# Altium PCB PCB2.PcbDoc
Units mil, origin at the board's own origin, x right, y up, seen from the top; angles counter-clockwise.
Board outline 4900.65 x 3145 mil, 2 copper layers (Top Layer, Bottom Layer); 31 components, 43 nets, 188 pads, 63 vias.
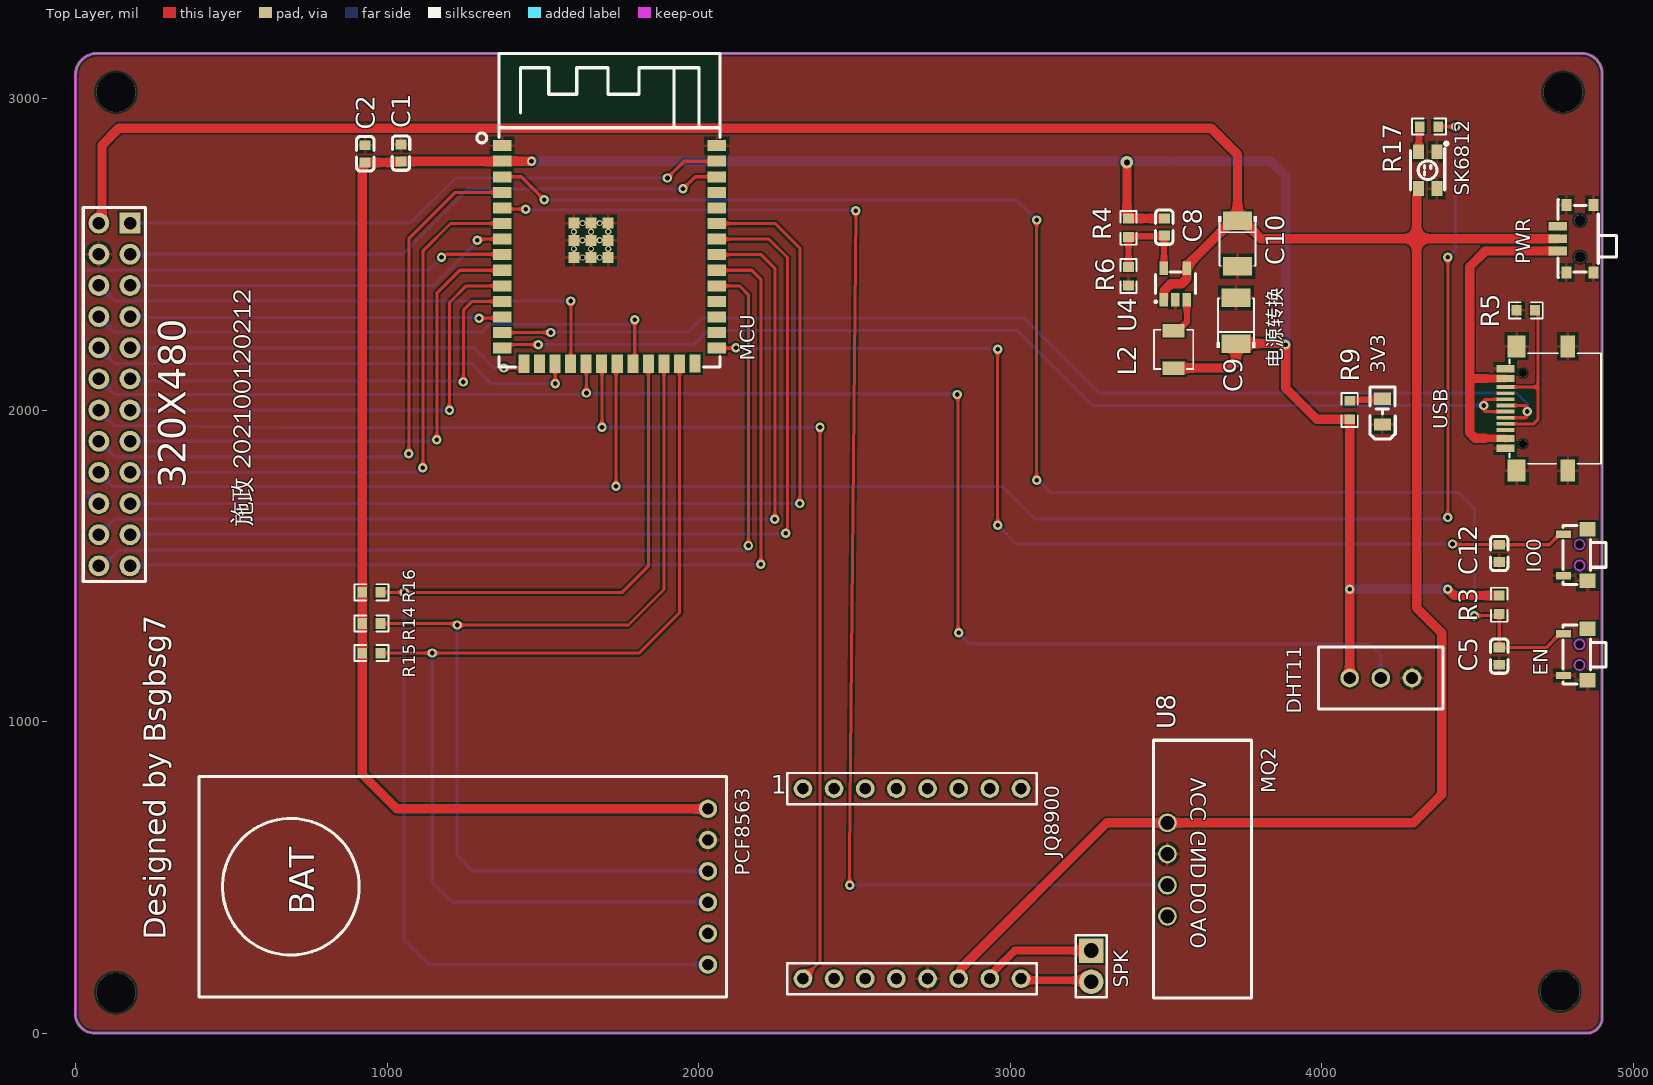
[diagram p0: Top Layer view]
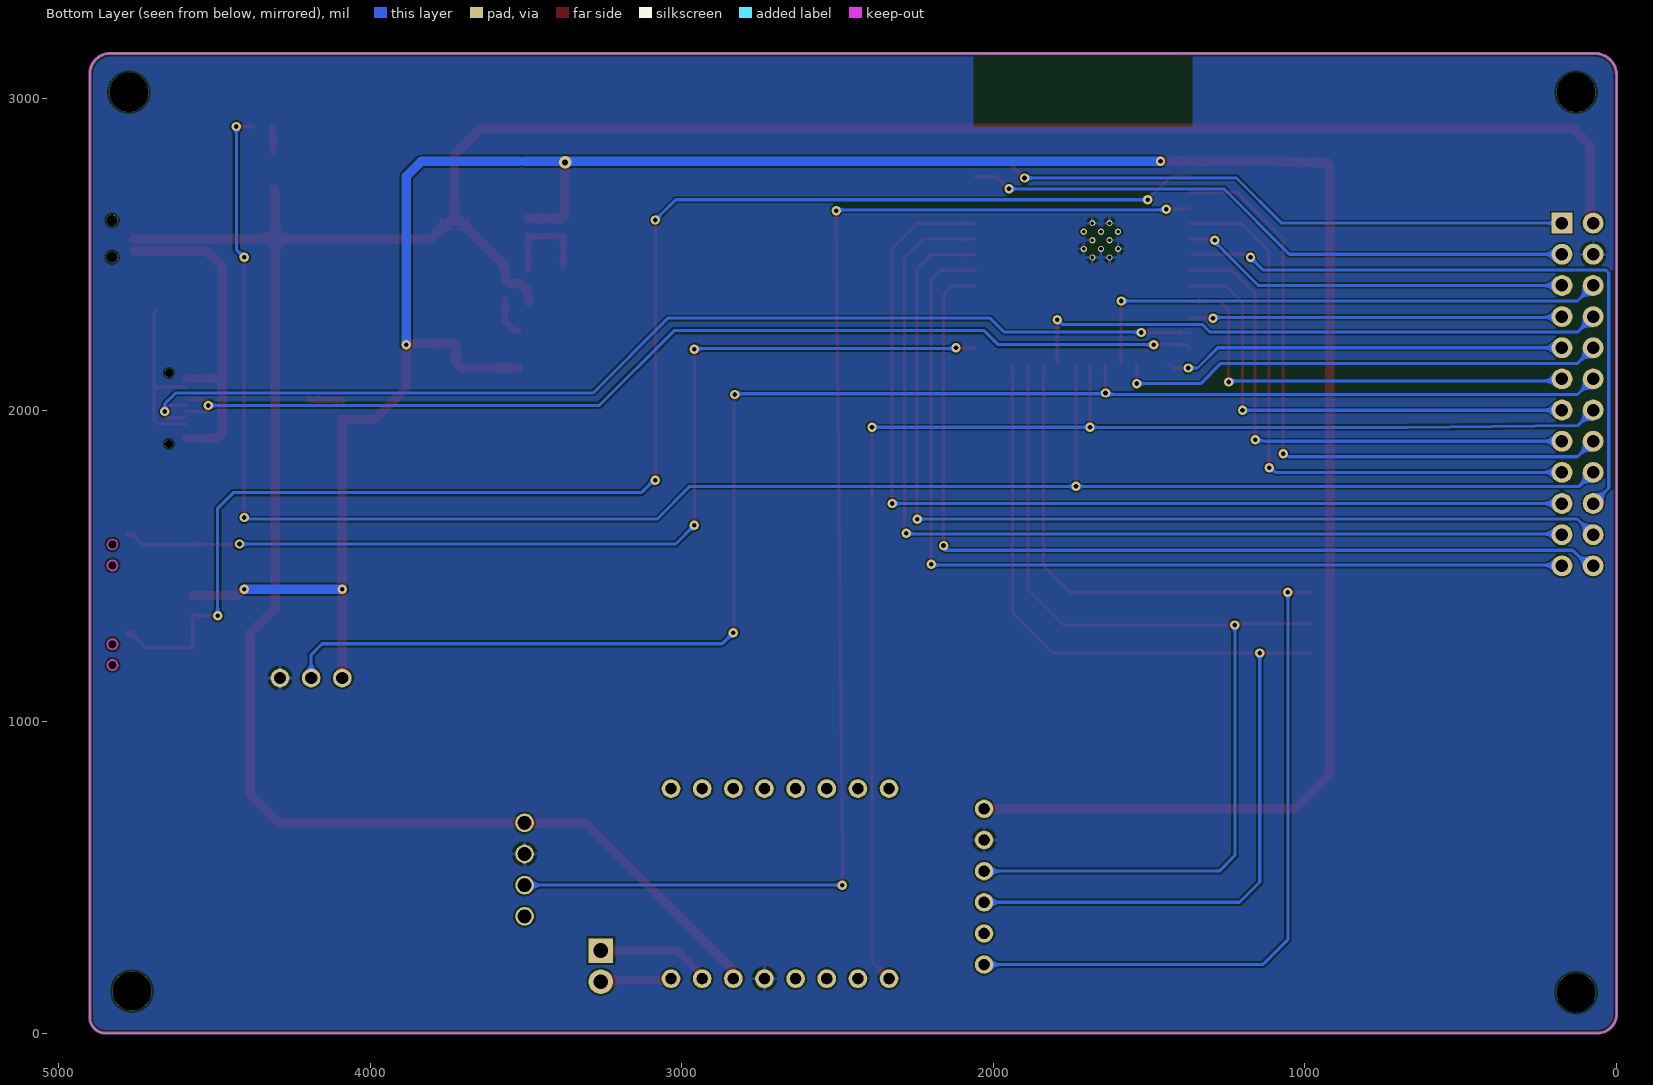
[diagram p1: Bottom Layer view, seen from below]
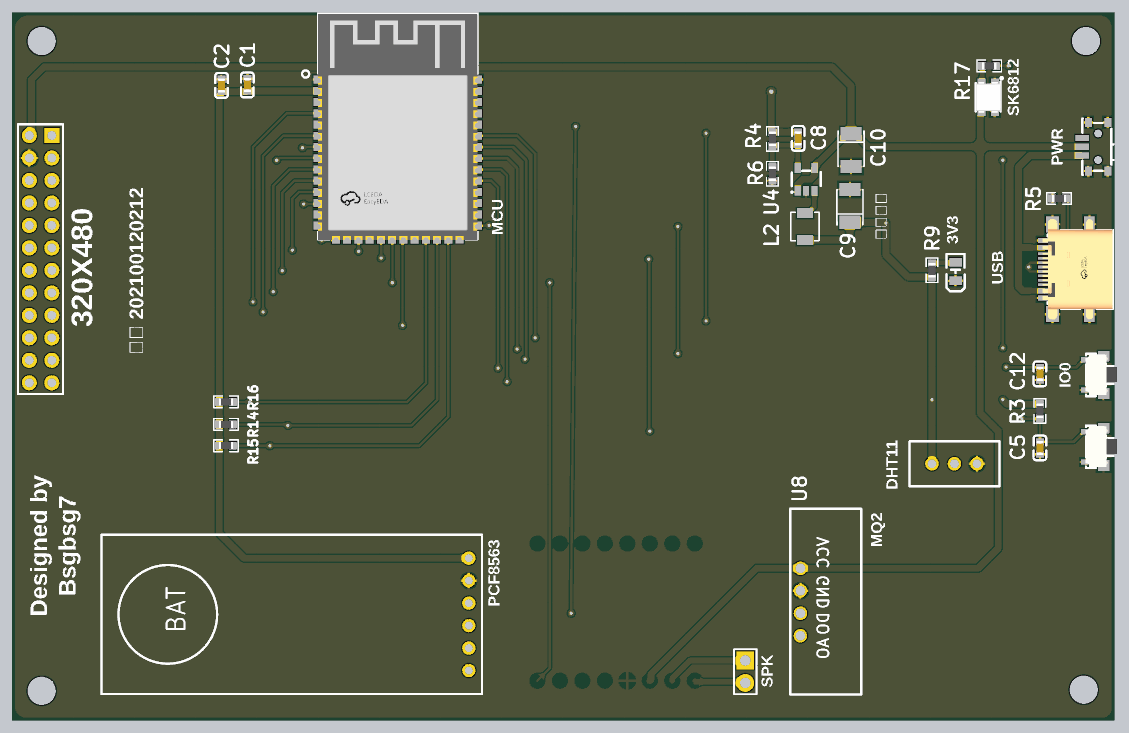
[diagram p2: 3D render of the assembled board from above, using the file's embedded part models]

## Layer stack, top to bottom
Top Solder: solder mask 0.4, Solder Resist, Dk 3.5
Top Layer: signal copper 1.4
Dielectric 1: dielectric 12.6, FR-4, Dk 4.8
Bottom Layer: signal copper 1.4
Bottom Solder: solder mask 0.4, Solder Resist, Dk 3.5

## Board outline
55,0 cw(c62.5,62.5) 0,70 0,3070 cw(c70,3075) 65,3145 4835,3145 cw(c4835,3080) 4900,3080 4900,55 cw(c4850,50) 4855,0

## Design rules (kind name [scope] priority, off if disabled: settings)
Clearance Clearance_1 [All] p1: gap=6 ignorepadtopadclearanceinfootprint=FALSE except(0: Arc-Hole Track-Hole SMDPad-Hole THPad-Hole Via-Hole Fill-Hole Poly-Hole Region-Hole Text-Hole)
Clearance [All] p2: gap=10 ignorepadtopadclearanceinfootprint=FALSE except(0: Arc-Hole Track-Hole SMDPad-Hole THPad-Hole Via-Hole Fill-Hole Poly-Hole Region-Hole Text-Hole)
PolygonConnect [All] p1: connectstyle=Relief reliefconductorwidth=10 reliefentries=4 polygonreliefangle="90 Angle" airgapwidth=10
RoutingVias [All] p1: holewidth=15 width=30 viastyle="Through Hole" minholewidth=10 minwidth=20 maxholewidth=28 maxwidth=50
SolderMaskExpansion [All] p1: expansion=4 istentingtop=FALSE
Width Width_3 [InNet('VBUS')] p1: maxlimit=50 minlimit=10 preferedwidth=30
Width Width_2 [InNet('5V')] p2: maxlimit=50 minlimit=10 preferedwidth=30
Width Width_1 [InNet('3V3')] p3: maxlimit=50 minlimit=10 preferedwidth=30
Width [All] p4: maxlimit=30 minlimit=10 preferedwidth=10
30 further rules are at their usual default settings.

## Components (designator, comment, footprint, x,y, rotation, side; value= is the part's Value field where it differs from the comment)
1 "JQ8900-16P" JQ8900-16P 2410,-275 r90 top locked
3V3 "SML-H12P8TT86" LED0805-R-RD_GREEN 4195,1995 r90 top (schematic designator LED1)
320X480 "排针2*12" "PCBComponent_1 - duplicate" 175,2600 r180 top locked (schematic designator U2)
C1 "22u" C0603 1045,2825 r90 top
C2 "0.1u" C0603 930,2822.44 r270 top
C5 "1u" C0603 4570,1210 r270 top
C8 "22pF" C0603 3495,2587.45 r90 top
C9 "22uF" CASE-B_3528 3725,2286.75 r90 top
C10 "22uF" CASE-B_3528 3730,2535 r270 top
C12 "0.1u" C0603 4570,1540 r90 top
DHT11 "3P排针" DHT 4190,1140 r90 top (schematic designator J1)
EN "TS-1010-B-A" KEY-SMD_TX-1010-X-X 4815,1215 r270 top (schematic designator SW1)
IO0 "TS-1010-B-A" KEY-SMD_TX-1010-X-X 4815,1535 r270 top (schematic designator SW2)
L2 "1uH" IND-SMD_L3.2-W3.2-1 3525,2195 r90 top
MCU "ESP32-S3-WROOM-1(N16R8)" WIRELM-SMD_ESP32-S3-WROOM-1 1713.95,2498.62 r0 top locked (schematic designator U1)
PCF8563 "RTC-PCF8563模块" PCF8563模块 396.14,115.67 r0 top locked (schematic designator U7)
PWR "HX MINI MSK12CO2" SW-SMD_MSK12CO2 4815,2550 r90 top (schematic designator U5)
R3 "10k" R0603 4570,1375 r270 top
R4 "100kΩ" R0603 3380,2585 r90 top
R5 "5.1K" R0603 4655.35,2320 r180 top
R6 "22kΩ" R0603 3380,2430 r90 top
R9 "10K" R0603 4090,2000.34 r270 top
R14 "4.7K" R0603 950,1315 r0 top
R15 "4.7K" R0603 950,1220 r0 top
R16 "4.7K" R0603 950,1415 r0 top
R17 "500" R0603 4344.65,2910 r180 top
SK6812 "SK6812SMINI-ER" SK6812 4340,2770 r90 top (schematic designator LED2)
SPK "PZ254V-11-02P" HDR-TH_2P-P2.54-V-M 3260,215 r270 top (schematic designator H1)
U4 "SY8089A1AAC" TSOT-23-5_L2.9-W1.6-P0.95-LS2.8-BR 3530,2405 r270 top
U8 "MQ2" MQ2 3505,525 r270 top locked
USB "YTC-TC16-273A1" TYPE-C-SMD_YIYUAN_YTC-TC16-273A1 4690,2005 r90 top (schematic designator U3)

## Footprints (in the part's own frame and the unit in brackets; to place one, negate y for a bottom-side part, rotate by r counter-clockwise, add the part's x,y. Pads: shape width x height; smd on the part's side, far side on the other; paste and mask are expansions set on the pad)
C0603 [mm]
  rect 0.8x0.9 smd: 1(-0.7,0) 2(0.7,0)
  silkscreen extent -1.41,-0.71 1.39,0.72, body extent -0.8,-0.4 0.8,0.4, height 0.8
CASE-B_3528 [mil]
  rect 59.3x93.54 smd mask+2: 1(-73.25,0) 2(73.25,0)
  silkscreen extent -87,-61 72,61
DHT [mil]
  round 60 hole 39.37: 1(0,100) 2(0,0) 3(0,-100)
  silkscreen extent -100,-200 100,200
HDR-TH_2P-P2.54-V-M [mm]
  rect 2x2 hole 1.2: 1(-1.27,0)
  round 2 hole 1.2: 2(1.27,0)
  silkscreen extent -2.54,-1.27 2.54,1.27
IND-SMD_L3.2-W3.2-1 [mm]
  rect 1.1x1.8 smd mask+0.051: 1(-1.524,0) 2(1.524,0)
  silkscreen extent -1.6,-1.6 1.6,1.6
JQ8900-16P [mil]
  round 60 hole 35.43 slot 35.63 at 0 deg: 1(450,75) 2(450,-25) 3(450,-125) 4(450,-225) 5(450,-325) 6(450,-425) 7(450,-525) 8(450,-625) 9(1060,-625) 10(1060,-525) 11(1060,-425) 12(1060,-225) 13(1060,-325) 14(1060,-125) 15(1060,-25) 16(1060,75)
  silkscreen extent 400,-675 1110,125
KEY-SMD_TX-1010-X-X [mm]
  rect 0.6x1.2 smd mask+0.051: 1(-1.7,-0.975) 2(1.7,-0.975)
  rect 1.2x1.3 smd mask+0.051: 3(-2.1,0.975) 4(2.1,0.975)
  Keep-Out Layer board cut-out: 1.25,0.325 1.25,0.405 1.189,0.552 1.077,0.664 0.93,0.725 0.771,0.725 0.624,0.664 0.511,0.552 0.45,0.405 0.45,0.325 0.45,0.245 0.511,0.098 0.624,-0.014 0.771,-0.075 0.93,-0.075 1.077,-0.014 1.189,0.098 1.25,0.245 1.25,0.325 1.25,0.325
  Keep-Out Layer board cut-out: -0.45,0.325 -0.45,0.405 -0.511,0.552 -0.623,0.664 -0.77,0.725 -0.929,0.725 -1.076,0.664 -1.189,0.552 -1.25,0.405 -1.25,0.325 -1.25,0.245 -1.189,0.098 -1.076,-0.014 -0.929,-0.075 -0.77,-0.075 -0.623,-0.014 -0.511,0.098 -0.45,0.245 -0.45,0.325 -0.45,0.325
  silkscreen extent -2.4,-1.02 2.4,2.48, body extent -2.33,-1.07 2.27,2.48, height 1.8
LED0805-R-RD_GREEN [mm]
  rect 1x1.4 smd: 1(1.05,0) 2(-1.05,0)
  silkscreen extent -2.22,-1.04 1.99,1.01
MQ2 [mil]
  round 60 hole 43.31 slot 43.51 at 0 deg: 1(-150,0) 2(-50,0) 3(50,0) 4(150,0)
  silkscreen extent -415,-45 412,270
"PCBComponent_1 - duplicate" [mm]
  rect 1.7x1.7 hole 1.02: 1(0,0)
  round 1.7 hole 1.02: 2(0,2.54) 3(0,5.08) 4(0,7.62) 5(0,10.16) 6(0,12.7) 7(0,15.24) 8(0,17.78) 9(0,20.32) 10(0,22.86) 11(0,25.4) 12(0,27.94) 13(2.54,27.94) 14(2.54,25.4) 15(2.54,22.86) 16(2.54,20.32) 17(2.54,17.78) 18(2.54,15.24) 19(2.54,12.7) 20(2.54,10.16) 21(2.54,7.62) 22(2.54,5.08) 23(2.54,2.54) 24(2.54,0)
  silkscreen extent -1.27,-1.27 3.81,29.21
PCF8563模块 [mm]
  round 1.5 hole 0.9 slot 0.9 at 90 deg: 1(41.5,2.65) 2(41.5,5.19) 3(41.5,7.73) 4(41.5,10.27) 5(41.5,12.81) 6(41.5,15.35)
  silkscreen extent 0,0 43,18
R0603 [mil]
  rect 31.75x34.02 smd: 1(-29.66,0) 2(29.65,0)
  silkscreen extent -55,-26 55,26, body extent -32,-16 32,16, height 18
SK6812 [mm]
  rect 1.2x0.9 smd mask+0.051: 1(1.5,-0.75) 2(1.5,0.75) 3(-1.5,0.75) 4(-1.5,-0.75)
  silkscreen extent -1.6,-1.65 2.29,1.4, body extent -1.75,-1.4 1.75,1.4, height 1.88
SW-SMD_MSK12CO2 [mm]
  rect 0.7x1.5 smd: 1(-1,1.45) 2(0,1.45) 3(1,1.45)
  rect 1x0.8 smd: 4(-2.75,-1.45) 4(-2.75,0.75) 5(2.75,-1.45) 5(2.75,0.75)
  round 0.9 hole 0.9 unplated: ""(-1.5,-0.35) ""(1.5,-0.35)
  silkscreen extent -3.17,-3.35 3.17,1.43
TSOT-23-5_L2.9-W1.6-P0.95-LS2.8-BR [mm]
  rect 1.1x0.7 smd mask+0.051: 1(1.294,-0.951) 2(1.294,-0.001) 3(1.294,0.951) 4(-1.294,0.951) 5(-1.294,-0.949)
  silkscreen extent -0.97,-1.65 1.52,1.65
TYPE-C-SMD_YIYUAN_YTC-TC16-273A1 [mm]
  rect 1.8x1.45 smd: 12(-5.07,1.632) 13(5.07,1.632)
  rect 1.8x1.2 smd: 14(-5.07,-2.548) 15(5.07,-2.548)
  rect 0.6x1.45 smd: A1B12(-3.25,2.548) A4B9(-2.45,2.548) A9B4(2.45,2.548) A12B1(3.25,2.548)
  rect 0.3x1.45 smd: A5(-1.25,2.548) A6(-0.25,2.548) A7(0.25,2.548) A8(1.25,2.548) B5(1.75,2.548) B6(0.75,2.548) B7(-0.75,2.548) B8(-1.75,2.548)
  round 0.65 hole 0.65 unplated: ""(-2.89,1.102) ""(2.89,1.102)
  silkscreen extent -4.5,-5.25 4.5,2.2, body extent -5.67,-5.16 5.68,2.74, height 3.19
WIRELM-SMD_ESP32-S3-WROOM-1 [mm]
  rect 1.5x0.9 smd: 1(-8.75,8.895) 2(-8.75,7.625) 3(-8.75,6.355) 4(-8.75,5.085) 5(-8.75,3.815) 6(-8.75,2.545) 7(-8.75,1.275) 8(-8.75,0.005) 9(-8.75,-1.265) 10(-8.75,-2.535) 11(-8.75,-3.805) 12(-8.75,-5.075) 13(-8.75,-6.345) 14(-8.75,-7.615) 27(8.75,-7.615) 28(8.75,-6.345) 29(8.75,-5.075) 30(8.75,-3.805) 31(8.75,-2.535) 32(8.75,-1.265) 33(8.75,0.005) 34(8.75,1.275) 35(8.75,2.545) 36(8.75,3.815) 37(8.75,5.085) 38(8.75,6.355) 39(8.75,7.625) 40(8.75,8.895)
  rect 0.9x1.5 smd: 15(-6.985,-8.895) 16(-5.715,-8.895) 17(-4.445,-8.895) 18(-3.175,-8.895) 19(-1.905,-8.895) 20(-0.635,-8.895) 21(0.635,-8.895) 22(1.905,-8.895) 23(3.175,-8.895) 24(4.445,-8.895) 25(5.715,-8.895) 26(6.985,-8.865)
  rect 0.9x0.9 smd: 41(-2.9,-0.225) 41(-2.9,1.175) 41(-2.9,2.575) 41(-1.501,-0.225) 41(-1.501,1.175) 41(-1.501,2.575) 41(-0.1,-0.225) 41(-0.1,1.175) 41(-0.1,2.575)
  silkscreen extent -10.81,-9.14 9.02,16.39, body extent -9,-9.23 9,16.27, height 3.11

## Part data
3V3: BOM_JLCPCB Part Class="Extended Part", BOM_Manufacturer=ROHM(罗姆), BOM_Manufacturer Part=SML-H12P8TT86, BOM_Supplier=LCSC, BOM_Supplier Part=C510035, Contributor=lcsc, spicePre=L, spiceSymbolName=SML-H12P8TT86
C8: BOM_JLCPCB Part Class="Basic Part", BOM_Manufacturer=SAMSUNG(三星), BOM_Manufacturer Part=CL10C220JB8NNNC, BOM_Supplier=LCSC, BOM_Supplier Part=C1653, nameAlias=Capacitance, spicePre=C, spiceSymbolName=CL10C220JB8NNNC
C9 C10: library part TAJB226K016RNJ, "容值:22uF;精度:±10%;额定电压:16V;等效串联电阻:2.3Ω@100kHz;工作温度:-55℃~+125℃;", Equivalent Series Resistance(ESR)=2.3Ω@100kHz, JLCPCB Part Class="Extended Part", LCSC Part Name="22uF ±10% 16V", Manufacturer="Kyocera AVX", Operating Temperature=-55℃~+125℃, Rated Voltage=16V, Tolerance=±10%, Add into BOM=yes, Convert to PCB=yes, Datasheet=https://atta.szlcsc.com/upload/public/pdf/source/20160107/1457707749964.pdf, Device=TAJB226K016RNJ, Manufacturer Part=TAJB226K016RNJ, Name=22uF, Supplier=LCSC, Supplier Footprint=CASE-B_3528, Supplier Part=C8020, Symbol=TAJB226K016RNJ
EN IO0: "触点电流:50mA;额定电压(DC):12V;绝缘电阻:-;电路结构:单刀单掷;安装方式:卧贴;按钮形状:矩形按钮;按钮/盖帽颜色:黑色;带灯:无;作用力:160gf;机械寿命:100000;工作温度:-30℃~+85℃;开关长度:4.7mm;开关宽度:1.9mm;开关高度:3.5mm;带支架:否;", Actuator/Cap Color=黑色, Contact Current=50mA, Insulation Resistance=-, JLCPCB Part Class="Extended Part", LCSC Part Name=1.9*4.7*3.5小侧按160gf带固定柱, Manufacturer="XKB Connectivity(中国星坤)", Operating Force=160gf, Operating Temperature=-30℃~+85℃, Voltage Rating (DC)=12V, Actuator Style=矩形按钮, Add into BOM=yes, Circuit=单刀单掷, Convert to PCB=yes, Datasheet=https://atta.szlcsc.com/upload/public/pdf/source/20200227/C318941_A5A5DBAB1B24E3EFC34CEC5510EE9B45.pdf, Device=TS-1010-B-A, Manufacturer Part=TS-1010-B-A, Mechanical Life=100000, Mounting Style=卧贴, Strike Gundam=否, Supplier=LCSC, Supplier Footprint=SMD, Supplier Part=C318941, Switch Height=3.5mm, Switch Length=4.7mm, Switch Width=1.9mm, Symbol=TS-1010-B-A, With Lamp=无
L2: library part TMPC0302H-1R0MG, "电感值:1uH;精度:±20%;额定电流:4A;直流电阻(DCR):32mΩ;", DC Resistance (DCR)=32mΩ, JLCPCB Part Class="Extended Part", LCSC Part Name="1uH ±20%", Manufacturer=TAI-TECH(台庆), Rated Current=4A, Tolerance=±20%, Add into BOM=yes, Convert to PCB=yes, Datasheet=https://atta.szlcsc.com/upload/public/pdf/source/20200917/C357122_6F527967014A5480A7BF1930E1412AC6.pdf, Device=TMPC0302H-1R0MG, Height=1.8mm, Length=3.5mm, Manufacturer Part=TMPC0302H-1R0MG, Name=1uH, Supplier=LCSC, Supplier Footprint=SMD, Supplier Part=C357122, Symbol=TMPC0302H-1R0MG, Width=3.2mm
MCU: BOM_JLCPCB Part Class="Extended Part", BOM_Manufacturer=ESPRESSIF(乐鑫), BOM_Manufacturer Part=ESP32-S3-WROOM-1-N16R8, BOM_Supplier=LCSC, BOM_Supplier Part=C2913202, Contributor=lcsc, link=https://atta.szlcsc.com/upload/public/pdf/source/20220705/4E799F39581577F766659887F738A439.pdf, spicePre=U, spiceSymbolName=ESP32-S3-WROOM-1(N16R8)
PCF8563: BOM_Manufacturer=Xu, BOM_Manufacturer Part=Xu4388, BOM_Supplier=Xu, BOM_Supplier Part=Xu4388, Contributor=XDesign, spicePre=U, spiceSymbolName=RTC-PCF8563模块
PWR: JLCPCB Part Class="Extended Part", Manufacturer=hanxia(韩下), Add into BOM=yes, Convert to PCB=yes, Datasheet=https://atta.szlcsc.com/upload/public/pdf/source/20220907/C5D739AFE38DE8F4177754FEAD8EFFD1.pdf, Device="HX MINI MSK12CO2", Manufacturer Part="HX MINI MSK12CO2", Name="HX MINI MSK12CO2", Supplier=LCSC, Supplier Footprint=SMD, Supplier Part=C5149840, Switch Height=1.45mm, Switch Length=5mm, Switch Width=2.75mm, Symbol="HX MINI MSK12CO2"
R3: library part 5.1K, Contributor=LCEDA_Lib, nameAlias=Value(Ω), spicePre=R, spiceSymbolName=R_0603_EU
R4: BOM_JLCPCB Part Class="Basic Part", BOM_Manufacturer=UNI-ROYAL(厚声), BOM_Manufacturer Part=0603WAF1003T5E, Resistance (Ohms)=100K, BOM_Supplier=LCSC, BOM_Supplier Part=C25803, nameAlias=Resistance, spicePre=R, spiceSymbolName=0603WAF1003T5E
R6: BOM_JLCPCB Part Class="Basic Part", BOM_Manufacturer=UNI-ROYAL(厚声), BOM_Manufacturer Part=0603WAF2202T5E, Resistance (Ohms)=22K, BOM_Supplier=LCSC, BOM_Supplier Part=C31850, nameAlias=Resistance, spicePre=R, spiceSymbolName=0603WAF2202T5E
R14 R15 R16: Manufacturer=YAGEO, Manufacturer Part=AF0603FR-0710KL, Add into BOM=yes, Convert to PCB=yes, Device=AF0603FR-0710KL, Name=4.7K, Origin Footprint=0603, Supplier=LCSC, Supplier Part=C144081, Symbol=10K
R17: library part 1.2K, Contributor=LCEDA_Lib, nameAlias=Value(Ω), spicePre=R, spiceSymbolName=R_0603_EU
SK6812: JLCPCB Part Class="Extended Part", Manufacturer=欧思科光电, Add into BOM=yes, Convert to PCB=yes, Datasheet=https://atta.szlcsc.com/upload/public/pdf/source/20220812/283F2CDBF03DB3CA48F090CE4F009622.pdf, Device=SK6812SMINI-ER, LCSC Part Name=SK6812SMINI-ER, Manufacturer Part=SK6812SMINI-ER, Name=SK6812SMINI-ER, Supplier=LCSC, Supplier Footprint=SMD2835, Supplier Part=C5142047, Symbol=SK6812SMINI-ER
SPK: BOM_JLCPCB Part Class="Extended Part", BOM_Manufacturer=XFCN(兴飞), BOM_Manufacturer Part=PZ254V-11-02P, BOM_Supplier=LCSC, BOM_Supplier Part=C492401, Contributor=LCSC, spicePre=H, spiceSymbolName=PZ254V-11-02P
U4: JLCPCB Part Class="Extended Part", Manufacturer=silergy(矽力杰), Add into BOM=yes, Convert to PCB=yes, Datasheet=https://atta.szlcsc.com/upload/public/pdf/source/20200117/C479074_09E605B8BDE11DB5A08573B7E6429A0D.pdf, Device=SY8089A1AAC, LCSC Part Name=SY8089A1AAC, Manufacturer Part=SY8089A1AAC, Name=SY8089A1AAC, Supplier=LCSC, Supplier Footprint=SOT-23-5, Supplier Part=C479074, Symbol=SY8089A1AAC
USB: BOM_JLCPCB Part Class="Extended Part", BOM_Manufacturer=YIYUAN(怡远), BOM_Manufacturer Part=YTC-TC16-273A1, BOM_Supplier=LCSC, BOM_Supplier Part=C5260486, Contributor=lcsc, link=https://atta.szlcsc.com/upload/public/pdf/source/20221115/1C643958E5C7CDCF6F0D7C93477BAFEB.pdf, spicePre=U, spiceSymbolName=YTC-TC16-273A1
1: Contributor=gfd1, spicePre=?, spiceSymbolName=JQ8900-16P
320X480: Contributor=Leshushi, spicePre=U, spiceSymbolName=排针2*12
C1 C2 C5 C12: Contributor=LCEDA_Lib, nameAlias=Value(F), spicePre=C, spiceSymbolName=C_0603_US
DHT11: Contributor=878738424, spicePre=J, spiceSymbolName=3P排针
R5: Contributor=LCEDA_Lib, nameAlias=Value(Ω), spicePre=R, spiceSymbolName=R_0603_EU
R9: Add into BOM=yes, Convert to PCB=yes, Device=Res_0603, Name=10K, Supplier Footprint=0603, Symbol=电阻
U8: Contributor=1898stark, spicePre=U, spiceSymbolName=MQ2

## Free pads (board coordinates)
  round 125.98 hole 125.98 unplated: 5(130,130) 5(130,3020) 5(4765,135) 5(4775,3020)

## Via types
v1: diameter 30, hole 15, Top Layer to Bottom Layer, tented both sides, 50 vias
v2: diameter 19.69, hole 11.81, Top Layer to Bottom Layer, 12 vias
v3: diameter 40, hole 20, Top Layer to Bottom Layer, tented both sides, 1 vias

## Nets (pads, with @x,y where several pads share a name; then routed paths per layer and width w, separated by ;. In a path a pad name is that pad's centre, name@x,y a point inside that pad or via, vN(x,y) a via of type N, cw(c..) or ccw(c..) an arc to the next point about the centre after c; other vN are vias at no path point)
3V3: C1.1 C2.2 C8.2 C9.1 DHT11.1 L2.1 MCU.2 PCF8563.6 R3.1 R4.2 R9.2 R14.1 R15.1 R16.1 | length 9073.8
  Top Layer w30: R16.1 920.35,1317.5 920.35,831.06 1031.41,720 PCF8563.6 ; R16.1@920.35,1416.13 920.35,2776.57 927.28,2783.51 927.28,2794.14 928.03,2794.89 1040.48,2794.89 1043.03,2797.45 C1.1 1045.69,2798.13 1368.78,2798.13 MCU.2 v1(1463.82,2798.82) v1@1465,2800 ; v3(3375,2795) 3375,2625.79 3385.79,2615 C8.2 ; L2.1 3707.43,2135 3725,2152.57 C9.1 3881.5,2213.5 v1(3885,2210) 3885,2070 3984.31,1970.69 R9.2 v1(4090,1425) DHT11.1@4090,1126.14 ; v1(4405,1425) 4425.34,1404.66 R3.1
  Bottom Layer w30: v1(1463.82,2798.82) 3371.18,2798.82 v3(3375,2795) 3378.82,2798.82 3506.18,2798.82 ; 3520,2798.82 3836.18,2798.82 3885,2750 v1(3885,2210) ; v1(4090,1425) v1(4405,1425)
5V: 1.6 320X480.24 C10.1 PWR.2 SK6812.3 U4.1 U4.4 U8.1 | length 9413.9
  Top Layer w30: 320X480.24 80,2600 85,2595 85,2850 140,2905 3645,2905 3730,2820 C10.1 ; 1.6 2840.74,180.74 2840.74,205.74 3310,675 U8.1 4295,675 4385,765 4385,1285 4305,1365 4305,2550 ; U4.1@3491.34,2347.4 3492.56,2348.62 U4.1 3493.78,2355.28 3493.78,2383.01 3515.77,2405 3549.86,2405 3567.44,2422.57 U4.4 3568.66,2457.17 3568.66,2464.03 3712.88,2608.25 C10.1 ; SK6812.3 4307.75,2708.23 4307.75,2688.1 4305,2685.35 4305,2550 ; PWR.2 4360,2550 4305,2550 ; C10.1 3747.12,2608.25 3761.77,2593.6 3805.37,2550 4305,2550
BL_CTR: 320X480.17 MCU.4 | length 2071
  Top Layer w10: v1(1070,1860) 1070,2550 1218.82,2698.82 MCU.4
  Bottom Layer w10: 320X480.17 125,1850 1052.35,1850 1054.96,1852.61 1057.2,1852.61 1064.59,1860 v1(1070,1860)
CC1: R5.1 USB.A5 USB.B5 | length 570.6
  Top Layer w10: USB.A5 4680.79,1955.79 4695,1970 4695,2073.9 ; USB.B5 4695,2073.9 ; R5.1 4695,2310 4695,2073.9
CS: 320X480.22 MCU.18 | length 1737.7
  Top Layer w10: MCU.18 1590,2149.47 v1(1590,2350)
  Bottom Layer w10: 320X480.22 125,2350 v1(1590,2350)
CTP_INT: 320X480.14 MCU.33 | length 3200.4
  Top Layer w10: MCU.33 2201.18,2498.82 2245,2455 v1(2245,1650)
  Bottom Layer w10: 320X480.14 125,1650 v1(2245,1650)
CTP_RST: 320X480.12 MCU.32 | length 3095.6
  Top Layer w10: MCU.32 2171.18,2448.82 2200,2420 v1(2200,1505)
  Bottom Layer w10: 320X480.12 177.5,1502.5 2197.5,1502.5 v1(2200,1505)
CTP_SCL: 320X480.11 MCU.34 | length 3245.4
  Top Layer w10: MCU.34 2226.18,2548.82 2285.41,2489.59 2285.41,1620.86 2283.83,1619.27 2283.83,1608.83 v1(2280,1605)
  Bottom Layer w10: 320X480.11 177.5,1602.5 2277.5,1602.5 v1(2280,1605)
CTP_SDA: 320X480.10 MCU.35 | length 3269.2
  Top Layer w10: MCU.35 2246.18,2598.82 2325,2520 v1(2325,1700)
  Bottom Layer w10: 320X480.10 v1(2325,1700)
D+: MCU.14 USB.A6 USB.B6 | length 3445.2
  Top Layer w10: MCU.14 1380.65,2210 v1(1485,2210) ; USB.A6 4525.86,1995.16 4520,2001.02 4520,2028.67 4525.86,2034.53 USB.B6
  Bottom Layer w10: v1(1485,2210) 1985,2210 2030,2255 3025,2255 3265.16,2014.84 v1(4520,2014.84)
D-: MCU.13 USB.A7 USB.B7 | length 3621.5
  Top Layer w10: MCU.13 1369.65,2249 v1(1525,2249) ; USB.B7 4654.14,1975.47 4660,1981.33 4660,2008.99 4654.14,2014.84 USB.A7
  Bottom Layer w10: v1(1525,2249) 1526,2250 1965,2250 2010,2295 3045,2295 3285,2055 4625,2055 4660,2020 v1(4660,1995.16)
DB0: 320X480.1 MCU.39 | length 1965.8
  Top Layer w10: v1(1900,2745) 1953.82,2798.82 MCU.39
  Bottom Layer w10: 320X480.1 1075,2600 1220,2745 v1(1900,2745)
DB1: 320X480.2 MCU.38 | length 1986.5
  Top Layer w10: v1(1950,2710) 1988.82,2748.82 MCU.38
  Bottom Layer w10: 320X480.2 1050,2500 1260,2710 v1(1950,2710)
DB2: 320X480.3 MCU.7 | length 1259
  Top Layer w10: v1(1290,2545) 1293.82,2548.82 MCU.7
  Bottom Layer w10: 320X480.3 1150,2400 1290,2540 v1(1290,2545)
DB3: 320X480.4 MCU.12 | length 1198.1
  Top Layer w10: v1(1295,2295) 1365.65,2295 MCU.12
  Bottom Layer w10: 320X480.4 177.5,2297.5 1292.5,2297.5 v1(1295,2295)
DB4: 320X480.5 MCU.15 | length 1296.9
  Top Layer w10: v1(1375,2135) 1426.24,2135 1438.95,2147.72 MCU.15
  Bottom Layer w10: 320X480.5 1280,2200 1345,2135 v1(1375,2135)
DB5: 320X480.6 MCU.11 | length 1431.8
  Top Layer w10: v1(1245,2090) 1245,2320 1273.82,2348.82 MCU.11
  Bottom Layer w10: 320X480.6@181.17,2093.83 1241.17,2093.83 v1(1245,2090)
DB6: 320X480.7 MCU.10 | length 1563.4
  Top Layer w10: v1(1200.32,1999) 1200.32,2345.32 1253.82,2398.82 MCU.10
  Bottom Layer w10: 320X480.7 175.5,1999.5 1199.82,1999.5 v1(1200.32,1999)
DB7: 320X480.8 MCU.9 | length 1695.3
  Top Layer w10: v1(1159.95,1905.1) 1160,1905.15 1160,2375 1233.82,2448.82 MCU.9
  Bottom Layer w10: 320X480.8 1124.95,1900 v1(1159.95,1905.1)
DC: 320X480.20 MCU.17 | length 1576.5
  Top Layer w10: MCU.17 1540,2147.38 v1(1540,2085)
  Bottom Layer w10: 320X480.20 125,2150 1270,2150 1335,2085 v1(1540,2085)
DHT11: 320X480.19 DHT11.2 MCU.19 | length 5099.8
  Top Layer w10: MCU.19 1640,2147.38 v1(1640,2055) ; v1(2830,2050) 2832.5,2047.5 2832.5,1287.5 v1(2835,1285)
  Bottom Layer w10: 320X480.19 125,2050 1629.59,2050 1634.59,2055 1640.86,2055 1643.36,2052.5 2827.5,2052.5 v1(2830,2050) ; v1(2835,1285) 2870,1250 4155,1250 4190,1215 DHT11.2
GND: 1.5 3V3.2 320X480.23 C1.2 C2.1 C5.2 C9.2 C10.2 C12.1 DHT11.3 EN.2 EN.4 IO0.2 IO0.4 MCU.1 MCU.40 MCU.41 PCF8563.5 PWR.4 PWR.5 R5.2 R6.1 SK6812.1 SK6812.4 U4.2 U8.2 USB.12 USB.13 USB.14 USB.15 USB.A1B12 USB.A12B1
  other v2: 1627.33,2489.76 1682.45,2489.76 1599.77,2517.32 1654.89,2517.32 1710.01,2517.32 1627.33,2544.88 1682.45,2544.88 1627.33,2600 1682.45,2600
IIC_INT: MCU.23 PCF8563.1 R16.2 | length 3666.7
  Top Layer w10: R16.2 v1(1055,1415) 1755,1415 1838.95,1498.95 MCU.23
  Bottom Layer w10: v1(1055,1415) 1055,300 1135,220 PCF8563.1
IIC_SCL: MCU.25 PCF8563.3 R15.2 | length 3459.1
  Top Layer w10: R15.2 1810,1220 1938.95,1348.95 MCU.25
  Bottom Layer w10: v1(1145,1220) 1145,485 1210,420 PCF8563.3
IIC_SDA: MCU.24 PCF8563.4 R14.2 | length 3248.8
  Top Layer w10: R14.2 1214.59,1315 1219.59,1310 1775,1310 1888.95,1423.95 MCU.24
  Bottom Layer w10: v1(1225,1310) 1225,570 1275,520 PCF8563.4
IO0: C12.2 IO0.1 MCU.27 | length 3330.8
  Top Layer w10: MCU.27 2118.82,2198.82 v1(2120,2200) ; v1(2960,1630) v1(2960,2195) ; v1@4421.22,1568.78 C12.2@4568.78,1568.78 ; C12.2 4730.43,1567.56 IO0.1@4764.8,1601.93
  Top Layer w20: v1(4420,1570) v1@4421.22,1568.78 ; C12.2@4568.78,1568.78 C12.2 ; IO0.1@4764.8,1601.93 IO0.1
  Bottom Layer w10: v1@2115,2200 2117.5,2197.5 2957.5,2197.5 v1(2960,2195) ; v1(2960,1630) 3020,1570 v1(4420,1570)
IO5: MCU.5 U8.3 | length 4324.3
  Top Layer w10: MCU.5 1373.29,2645 v1(1445,2645) ; v1(2485,475) v1(2485,475) 2485.04,564.36 v1(2505,2640)
  Bottom Layer w10: v1(1445,2645) 1447.5,2642.5 2502.5,2642.5 v1(2505,2640) ; v1(2485,475) U8.3
IO6: 320X480.9 MCU.6 | length 1932.5
  Top Layer w10: v1(1115,1815) 1115,2510 1203.82,2598.82 MCU.6
  Bottom Layer w10: 320X480.9 1094.59,1800 1109.59,1815 v1(1115,1815)
IO12: 1.1 320X480.18 MCU.20 | length 4336.9
  Top Layer w10: MCU.20 1690,2147.38 v1(1690,1945) ; 1.1 2390,230 v1(2390,1945)
  Bottom Layer w10: 320X480.18 82.96,1992.04 320X480.18@85.89,1989.11 ; 320X480.18@82.88,1991.95 120.79,1953.24 120.83,1953.19 123.75,1950.28 671.4,1944.53 1246.07,1944.53 1689.53,1944.53 v1(1690,1945) v1(2390,1945)
IO13: 320X480.16 MCU.21 R17.1 | length 6125.1
  Top Layer w10: 320X480.16 320X480.16@85.89,1789.11 ; v1(1735,1755) 1735,2144.47 MCU.21 ; R17.1 v1(4430,2910) ; v1(4405,1655) v1(4405,2490)
  Bottom Layer w10: 320X480.16 120,1755 v1(1735,1755) 2975,1755 3080,1650 4389.14,1650 4390.32,1651.17 4401.17,1651.17 v1(4405,1655) ; v1@4405,2491.34 4406.26,2491.34 4430,2515.08 v1(4430,2910)
IO14: 320X480.21 MCU.22 | length 1901.4
  Top Layer w10: MCU.22 1795,2154.47 v1(1795,2290)
  Bottom Layer w10: 320X480.21 125,2250 1305,2250 1330,2275 1779.14,2275 1794.14,2290 v1(1795,2290)
IO15: 320X480.15 MCU.8 | length 2121.2
  Top Layer w10: v1(1175,2490) 1180.41,2490 1190.41,2500 MCU.8@1360.65,2500
  Bottom Layer w10: 320X480.15 25,1750 25,2440 35,2450 1135,2450 v1(1175,2490)
IO38: 320X480.13 MCU.31 | length 3035.8
  Top Layer w10: MCU.31 2131.18,2398.82 2160,2370 v1(2160,1565)
  Bottom Layer w10: 320X480.13 90,1500 140,1550 2154.14,1550 2156.17,1552.03 2156.17,1561.17 v1(2160,1565)
IO45: MCU.26
IO46: MCU.16
NetC8_1: C8.1 R4.1 R6.2 U4.5 | length 315.8
  Top Layer w20: R6.2 R4.1 3382.27,2557.62 3492.73,2557.62 C8.1@3493.82,2558.71 ; U4.5 3493.82,2457.13 C8.1@3493.82,2558.71 ; C8.1 C8.1@3493.82,2558.71
NetL2_2: L2.2 U4.3 | length 124.7
  Top Layer w20: L2.2 3538.78,2255 3567.44,2283.66 U4.3
NetLED1_1: 3V3.1 R9.1 | length 107.6
  Top Layer w20: R9.1 4093.18,2033.18 4191.83,2033.18 3V3.1
NetLED2_2: R17.2 SK6812.2 | length 82.8
  Top Layer w20: SK6812.2 4312.74,2831.32 4312.74,2907.74 R17.2
RESET: C5.1 EN.1 MCU.3 R3.2 | length 4810.3
  Top Layer w10: MCU.3 1431.18,2748.82 v1(1505,2675) ; v1(3085,1775) v1(3085,2610) ; v1(4490,1340) 4564.65,1340 R3.2 C5.1 4720.43,1237.56 EN.1@4764.8,1281.93
  Top Layer w20: EN.1@4764.8,1281.93 EN.1
  Bottom Layer w10: v1(1505,2675) 3020,2675 v1(3085,2610) ; v1(3085,1775) 3090,1775 3130,1735 4440,1735 4490,1685 v1(4490,1340)
SPK+: 1.8 SPK.2 | length 244.1
  Top Layer w20: 1.8 1.8@3040,170 ; SPK.2@3250,165 SPK.2 SPK.2@3275,165
  Top Layer w25: 1.8@3040,170 3245,170 SPK.2@3250,165
SPK-: 1.7 SPK.1 | length 368.1
  Top Layer w25: 1.7 2935,184.47 2952.5,201.97 2952.5,202.5 3015,265 SPK.1
VBUS: PWR.1 USB.A4B9 USB.A9B4 | length 1068.6
  Top Layer w25: 4525,1910 4525.77,1909.23 4589.01,1909.23 USB.A4B9 ; 4531,2101.45 USB.A9B4
  Top Layer w30: 4480,2101.45 4531,2101.45 ; 4525,1910 4492.57,1910 4475,1927.57 4475,2460 4525.63,2510.63 PWR.1
pads on no net: 1.2 1.3 1.4 1.9 1.10 1.11 1.12 1.13 1.14 1.15 1.16 EN.3 IO0.3 MCU.28 MCU.29 MCU.30 MCU.36 MCU.37 PCF8563.2 PWR. PWR.3 U8.4 USB. USB.A8 USB.B8
copper on no net:
  other v2: 1599.77,2572.44 1654.89,2572.44 1710.01,2572.44

## Polygon pours and split planes (outlines as drawn)
GND on Top Layer "GND" (solid, remove dead copper, pour order 0): 0,3335 -185,3150 -185,-445 4980,-445 5290,-135 5290,3370 2095,3370 2085,3380 2065,3360 2065,2910 1360,2910 1360,3295 1335,3320
GND on Bottom Layer "GND" (solid, remove dead copper, pour order 1): 1360,3375 25,3375 -580,2770 -400,2590 -400,-750 5335,-750 5640,-445 5470,-275 5470,3875 2475,3875 2065,3465 2065,2910 1360,2910 1360,3145

## Keep-outs
Keep-Out Layer:
  lines w5: 4843.9,1568.64 cw(c4827.9,1568.64) 4843.9,1568.7
  lines w6: 4843.74,1248.07 cw(c4827.74,1248.07) 4843.74,1248.13 ; 4843.82,1181.54 cw(c4827.82,1181.54) 4843.82,1181.6 ; 4843.97,1501.34 cw(c4827.97,1501.34) 4843.97,1501.4
  lines w10: 0,70 ccw(c62.5,62.5) 55,0 ; 0,70 ccw(c62.5,62.5) 55,0 ; 0,70 0,3070 ; 0,70 0,3070 ; 0,3070 cw(c70,3075) 65,3145 ; 0,3070 cw(c70,3075) 65,3145 ; 55,0 4855,0 ; 55,0 4855,0 ; 65,3145 210,3145 1840,3145 ; 1840,3145 ccw(c1840,3145) 1840,3145 ; 1840,3145 4835,3145 ; 4835,3145 cw(c4835,3080) 4900,3080 ; 4835,3145 cw(c4835,3080) 4900,3080 ; 4835,3145 ccw(c4835,3145) 4835,3145 ; 4855,0 ccw(c4850,50) 4900,55 ; 4855,0 ccw(c4850,50) 4900,55 ; 4900,55 4900,3080 ; 4900,55 4900,3080

## Silkscreen, mask and mechanical layers (free items; w line width, h text height)
Top Overlay:
  text "电源转换" at 3888.12,2135.07 h80 r90
  text "施政 202100120212" at 581.77,1625 h100 r90
  text "Designed by Bsgbsg7" at 314.47,299.9 h120 r90
Mechanical 1:
  circle w10: c4827.8,1568.46 r15.75
  circle w10: c4827.8,1501.53 r15.75
  circle w10: c4827.8,1248.46 r15.75
  circle w10: c4827.8,1181.53 r15.75
  lines w10: 4835,3145 cw(c4835,3080) 4900,3080 4900,55 cw(c4850,50) 4855,0 55,0 cw(c62.5,62.5) 0,70 0,3070 cw(c70,3075) 65,3145 1840,3145 4835,3145 ; 4835,3145 ccw(c4835,3145) 4835,3145

## Text inside footprints (layer, text, board x,y; h text height)
1: Top Overlay "JQ8900" at 3173.19,565 h80 r90
PCF8563: Top Overlay "BAT" at 766.14,380.67 h80 r90
U8: Top Overlay "AO" at 3629.61,370 h49.21 r90; Top Overlay "DO" at 3629.61,485 h49.21 r90; Top Overlay "GND" at 3629.61,650 h49.21 r90; Top Overlay "VCC" at 3629.61,820 h49.21 r90